# KiCad board 4in1-panel.kicad_pcb (continued)
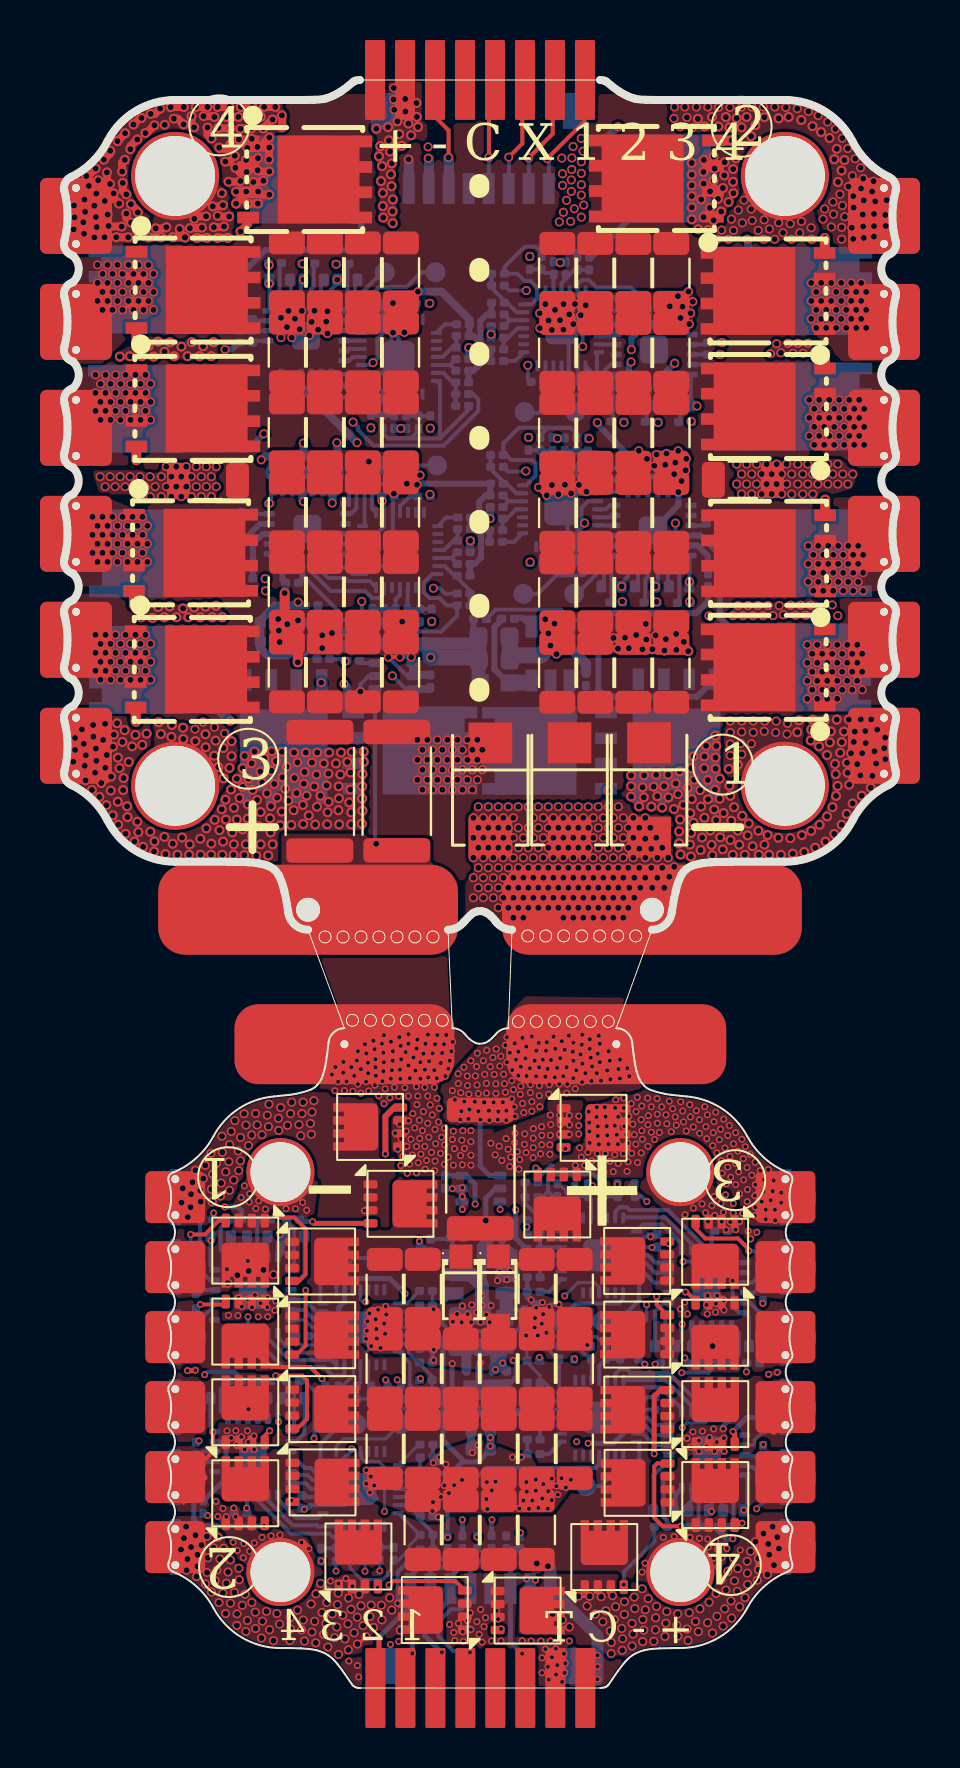
[diagram p0: board, top side]
## Routing (per net, layer and track width the routed paths; a pad name or vN(x,y) marks a point on that pad's centre or on a via; arc(x,y) is an arc through that point) (continued)
/ESC3/MotorB: length 40.2
  Top w0.2: Q15.1 Q15.1
  In2.Cu w0.2: v1(11.96,59.34) 17.95,53.35 v1(18.37,53.35)
  In3.Cu w0.2: 36.07,18.45 35.37,19.15 35.37,19.42 33.9,20.89 29.92,20.89 28.71,22.1 28.71,23.4 26.98,25.13 v2(26.41,25.13)
  In3.Cu w0.4: v1(11.96,59.34) 11.46,59.84 9.81,59.84 4.72,54.74 3.24,54.74 1.56,53.07 v1(1.56,52.67)
  Bottom w0.16: R51.1 26.32,25.22 v2(26.41,25.13)
  Bottom w0.2: U8.15 11.91,60.66 C34.1 ; U9.15 32.38,17.5 32.42,17.45 v1(32.42,17.1) ; v1(18.37,53.35) 18.38,53.35 R51#2.1
  Bottom w0.4: U8.15 11.91,59.39 v1(11.96,59.34)
  vias: v1(1.56,51.77) v1(1.56,50.87) v1(1.81,52.22) v1(1.81,51.32) v1(1.81,50.42) v1(2.06,52.67) v1(2.06,51.77) v1(2.06,50.87) v1(2.31,52.22) v1(2.31,51.32) v1(2.31,50.42) v1(2.56,52.67) v1(2.56,51.77) v1(2.56,50.87) v1(2.81,52.22) v1(2.81,51.32) v1(2.81,50.42) v1(3.06,52.67) v1(3.06,51.77) v1(3.06,50.87) v1(3.31,52.22) v1(3.31,51.32) v1(3.31,50.42) v1(3.56,52.67) v1(3.56,51.77) v1(3.56,50.87) v1(3.81,52.22) v1(3.81,51.32) v1(3.81,50.42) v1(4.06,52.67) v1(4.06,51.77) v1(4.06,50.87) v1(4.31,52.22) v1(4.31,51.32) v1(4.31,50.42)
/ESC3/MotorC: length 39.3
  Top w0.4: 1.45,47.64 v3(2.04,48.22) ; 1.22,47.95 v3(1.44,48.17)
  In2.Cu w0.2: v1(14.88,54.35) 14.88,54.62 v1(10.25,59.25)
  In3.Cu w0.2: v2(29.14,24.33) 29.5,24.33 32.49,21.35 34.49,21.35 34.85,20.99 36.07,20.99 U4.16
  In3.Cu w0.4: v1(10.25,59.25) 9.33,58.33 9.33,54.12 5.05,49.84 4.22,49.84 v3(2.64,48.26)
  Bottom w0.2: C38.1 10.33,59.31 U8.12 ; C38#2.1 34.25,18.56 U9.12 33.76,18.77 33.43,19.1 v2(33.43,20.37) ; v1(14.88,54.35) 14.88,53.71 15.24,53.36 R54#2.1 ; R54.1 28.89,24.58 v2(29.14,24.33)
  Bottom w0.4: U8.12 v1(10.25,59.25)
  vias: v3(0.45,46.32) v3(0.54,47.52) v3(0.54,46.92) v3(0.88,47.95) v3(0.97,47.22) v3(1.07,46.65) v3(1.02,46.12) v3(1.06,45.39) v3(1.38,44.92) v3(1.45,47.58) v3(1.58,46.98) v3(1.6,46.37) v3(1.54,45.78) v3(1.75,44.57) v3(1.85,45.26) v3(1.94,47.42) v3(2.05,46.02) v3(2.1,44.15) v3(2.12,46.66) v3(2.34,45.58) v3(2.32,44.88) v3(2.48,47.68) v3(2.44,47.08) v3(2.42,43.65) v3(2.68,46.53) v3(2.67,44.33) v3(2.69,43.18) v3(2.76,46.01) v3(2.9,47.32) v3(2.96,45.51) v3(2.94,44.91) v3(3.02,47.9) v3(3.06,42.73) v3(3.14,44.1) v3(3.16,43.56) v3(3.22,46.32) v3(3.39,47.09) v3(3.5,42.34) v3(3.56,47.67) v3(3.65,43.33) v3(3.7,42.81) v3(3.9,47.17) v3(3.94,42.07) v3(4.11,47.73) v3(4.3,42.83) v3(4.49,41.84) v3(4.51,42.34) v3(5.01,42.57) v3(5.06,41.71) v3(5.42,42.23) v3(5.66,41.67) v3(5.89,42.54) v3(6.27,42.19) v3(6.24,41.67) v3(6.8,42.48) v3(6.82,41.67) v3(7.1,43) v3(7.35,42.24) v3(7.34,41.67) v3(7.52,43.42) v3(7.76,42.91) v3(7.87,43.95) v3(7.9,41.67) v3(7.94,42.33) v3(8.06,44.43) v3(8.08,43.43) v3(8.34,44.93) v3(8.4,42.79) v3(8.49,44.02) v3(8.48,42.19) v3(8.46,41.67) v3(8.63,45.48) v3(8.63,43.43) v3(8.76,44.51) v3(8.92,46) v3(8.92,45.07) v3(8.92,42.94) v3(9,41.66) v3(9.02,46.62) v3(9.08,42.19) v3(9.18,44.19) v3(9.18,43.48) v3(9.21,45.48) v3(9.37,46.24) v3(9.39,42.62) v3(9.42,44.92) v3(9.51,46.84) v3(9.6,41.63) v3(9.64,44.41) v3(9.8,45.83) v3(9.73,43.09) v3(9.9,45.27) v3(9.82,43.81) v3(9.82,42.19) v3(10,46.5) v3(10.14,44.75) v3(10.2,41.64) v3(10.29,43.49) v3(10.38,46.85) v3(10.37,45.87) v3(10.34,44.11) v3(10.32,42.79) v3(10.5,45.22) v3(10.42,42.2) v3(10.59,46.36) v3(10.65,44.53) v3(10.8,43.15) v3(10.89,46.82) v3(10.87,43.84) v3(10.91,45.55) v3(11.05,44.97) v3(11.12,46.08) v3(11.2,44.37) v3(11.35,43.16) v3(11.49,46.79) v3(11.51,45.51) v3(11.47,43.9) v3(11.66,46.29) v3(11.61,44.76) v3(11.98,45.22) v3(11.93,44.17) v3(11.95,43.21) v3(12.08,46.78) v3(12.02,45.81) v3(12.11,44.63) v3(12.22,43.64) v3(12.38,46.29) v3(12.5,45.09) v3(12.55,43.18) v3(12.65,46.79) v3(12.61,45.68) v3(12.64,44.07) v3(12.81,44.63) v3(12.98,46.24) v3(13.12,45.14) v3(13.17,43.8) v3(13.15,43.2) v3(13.24,46.79) v3(13.21,45.73) v3(13.22,44.32) v3(13.59,46.24) v3(13.71,43.9) v3(13.81,45.69) v3(13.72,45.09) v3(13.73,44.5) v3(13.75,43.19) v3(13.84,46.79) v3(14.16,46.31) v3(14.25,44.29) v3(14.38,46.81) v3(14.31,45.79) v3(14.31,44.94) v3(14.35,43.8) v3(14.35,43.2) v3(14.89,45.09) v3(14.89,44.48) v3(14.88,43.22) v3(14.97,46.83) v3(14.98,46.32) v3(14.91,45.7) v3(14.91,43.87)
/ESC4/AH: length 2.7
  Bottom w0.2: U9#2.20 14.84,67.39 U10.22 ; U10#2.20 28.94,12.72 29.52,12.15 U11.22
/ESC4/AL: length 4.6
  Bottom w0.2: U10#2.15 28.94,15.04 29.82,15.04 30.88,13.98 U11.1 ; U10.1 14.12,65.72 14.13,65.72 14.48,65.38 U9#2.15
/ESC4/BH: length 2.7
  Bottom w0.2: U10.23 14.08,66.97 U9#2.19 ; U10#2.19 29.05,13.13 29.53,12.65 U11.23
/ESC4/BL: length 7.5
  Bottom w0.2: U10#2.14 27.96,15.4 30.08,15.4 31.38,14.09 U11.2 ; U10.2 12.84,65.46 13.13,65.17 13.96,65.17 14.12,65.01 15.21,65.01 U9#2.14
/ESC4/CH: length 2.7
  Bottom w0.2: U9#2.18 14.43,66.57 14.24,66.39 U10.24 ; U10#2.18 29.16,13.53 29.54,13.15 U11.24
/ESC4/CL: length 10.6
  Bottom w0.2: U10.3 12.34,65.44 13.24,64.53 14.97,64.53 15.34,64.17 15.7,64.17 15.92,64.39 U9#2.13 ; U11.3 31.88,14.1 30.23,15.76 28.31,15.76 28.14,15.93 27.78,15.93 27.56,15.71 U10#2.13
/ESC4/FBA: length 6.1
  Bottom w0.16: U10#2.6 24.58,14.33 24.27,14.64 24.27,15.03 24.03,15.27 R65#2.2 23.8,15.64 23.14,16.3 R66.2 R64#2.1
  Bottom w0.2: R64.1 R65.2 19.44,65.29 18.96,65.77 U9#2.6
/ESC4/FBB: length 5.2
  Bottom w0.16: U10#2.10 26.36,16.44 26.35,16.45 26.28,16.45 25.65,17.08 25.49,17.08
  Bottom w0.2: U9#2.10 17.12,63.66 R68#2.2 17.11,63.62 R69.2 ; 25.49,17.08 25.48,17.09 R67#2.2
/ESC4/FBC: length 5.4
  Bottom w0.2: R72.2 28.54,17.09 27.91,16.46 R71#2.2 R70#2.2 26.76,16.13 U10#2.11 ; U9#2.11 16.72,64.39 16.5,64.17 R71.2 15.35,63.64 R72#2.2
/ESC4/FBCOMMON: length 17.3
  Bottom w0.16: R70#2.1 26.61,17.57 24.53,17.57 24.32,17.36 24.32,16.82 24.69,16.45 ; 24.69,16.45 24.76,16.45 24.76,14.83 U10#2.7 ; 24.69,16.45 24.04,17.09 R64#2.2
  Bottom w0.2: 18.79,62.49 20.22,63.92 R64.2 ; 18.79,62.49 16.2,62.49 16.19,62.5 ; 18.79,62.49 18.79,65.2 U9#2.7 ; R67.1 17.72,62.87 17.35,62.5 16.19,62.5 ; 16.19,62.5 15.92,62.77 R70.1
/ESC4/GHA: length 5.2
  Bottom w0.2: R79.1 14.16,71.16 14.16,69.05 U10.19 ; R55#2.1 30.16,8.35 29.97,8.54 29.97,10.53 30.08,10.65
/ESC4/GHB: length 3.7
  Bottom w0.2: U10.16 12.34,69.96 12.47,70.09 12.47,71.19 R61#2.1 ; 31.88,9.85 31.88,9.39 31.73,9.24 31.73,8.35 31.88,8.19 R60.1
/ESC4/GHC: length 3.7
  Bottom w0.2: R38.1 10.77,71.17 10.77,69.61 U10.13 ; R62.1 33.47,8.2 33.47,9.77 33.38,9.85
/ESC4/GLA: length 2
  Bottom w0.2: U10.11 9.5,68.39 R83.1 ; R56.1 34.94,10.55 34.44,11.05 34.28,11.05 34.18,11.15
/ESC4/GLB: length 1.6
  Bottom w0.2: U10.10 R75.1 ; 34.18,11.65 34.23,11.6 34.95,11.6
/ESC4/GLC: length 2.2
  Bottom w0.16: R63#2.1 34.95,12.83 34.51,12.39 34.51,12.2 34.46,12.15 U11.9
  Bottom w0.2: U10.9 9.51,67.39 R45.1
/ESC4/MotorA: length 89
  Top w0.16: 35.51,7.2 v1(35.74,6.98) ; v1(26.28,4.59) v1(25.7,4.59) ; U4.12 35.55,7.95 v1(35.43,8.07)
  Top w0.4: v3(1.62,73.07) 1.62,73.53 v3(1.58,73.57) ; v3(1.5,72.55) 2,72.55 v3(2.01,72.56) ; v3(8.55,76.03) 8.77,75.82 v3(9.11,75.82) ; v3(0.95,73.31) 0.95,72.77 v3(0.98,72.74) ; v3(9.65,77.07) 9.68,77.05 v3(10.25,77.05) 10.24,77.03 v3(10.24,76.45) ; v3(9.35,78) 8.82,78 v3(8.81,77.98) ; v3(0.48,74.15) 0.51,74.12 v3(0.51,73.55) ; v3(3.46,78.19) 3.79,78.52 v3(3.86,78.52) ; v3(2.89,75.84) 2.89,76.29 v3(3.03,76.43) ; Q19#2.1 9.17,74.81 v3(8.59,74.24) ; v3(1.57,76) 1.19,75.62 v3(1.1,75.62) ; v3(9.31,78.57) 9.82,78.57 v3(9.83,78.58) ; v3(3.04,77.76) 3.04,77.75 v3(2.66,77.36) ; v3(4,73.34) 3.64,72.98 v3(3.64,72.86) ; v3(1.04,73.83) 1.01,73.87 v3(1.01,74.44) ; v3(8.11,78.57) v3(8.71,78.57) ; v3(2.92,75.28) 2.92,74.88 v3(3.1,74.7) ; v3(6.96,78.61) 7.47,78.61 v3(7.51,78.57) ; v3(4.51,78.16) 4.11,77.77 v3(4.05,77.77) ; v3(8.22,75.33) 8.77,75.33 v3(8.81,75.38) ; v3(10.25,75.85) 9.72,75.85 v3(9.66,75.91) ; v3(5.96,78.2) 5.67,78.49 v3(5.48,78.49) ; U3.12 0.58,72.84 v3(0.47,72.95) ; v3(9.16,74.25) v3(9.68,74.25) ; v3(2.13,75.8) 2.13,75.38 v3(2.29,75.23) ; v3(5.32,79.07) 5.33,79.07 v3(5.98,79.07) ; v3(10.55,79.07) v3(9.99,79.07) ; v3(2.3,76.89) 2.3,76.76 v3(1.98,76.44) ; v3(2.17,73.69) 2.02,73.84 v3(2.02,74.38) ; v3(8.3,77.18) 8.38,77.1 8.38,76.98 7.8,76.98 v3(7.75,77.04) ; v3(4.79,78.99) 4.53,78.73 v3(4.32,78.73) ; v3(3.1,73.75) 3.1,73.53 v3(3.34,73.29) ; v3(7.16,78.05) 7.16,77.69 7.36,77.5 v3(7.36,77.5) ; v3(10.88,78.65) 10.9,78.64 v3(10.9,78.06) ; v3(6.49,78.06) 6.36,78.19 v3(6.36,78.62) ; v3(9.09,74.84) 8.59,74.84 v3(8.59,74.84) ; v3(10.25,77.55) 9.72,77.02 v3(9.15,77.02) ; v3(9.4,79.07) v3(8.83,79.07) ; v3(8.53,76.63) 8.24,76.34 v3(8.05,76.34) ; v3(3.65,77.45) 3.3,77.1 v3(3.3,76.96) ; v3(8.26,79.07) v3(7.67,79.07) ; v3(9.95,78) 10.4,78.45 v3(10.41,78.45) ; v3(7.71,78.04) 7.73,78.01 v3(8.31,78.01) ; v3(2.47,74.75) 2.47,74.51 v3(2.74,74.25) ; v3(9.69,74.84) 9.85,74.69 v3(10.25,74.69) ; v3(1.6,74.75) 1.5,74.64 v3(1.5,74.13) ; v3(3.33,74.22) 3.67,73.87 v3(3.67,73.8) ; v3(9.69,76.52) 9.6,76.43 v3(9.09,76.43) ; v3(2.59,72.56) v3(3.19,72.56) ; v3(9.45,75.32) 9.89,75.32 v3(9.96,75.38) ; v3(2.87,73.09) 2.24,73.09 v3(2.21,73.12) ; v3(7.16,79.07) v3(6.58,79.07)
  In2.Cu w0.2: v3(9.68,74.25) 9.68,73.09 10.98,71.79 10.98,70.29 10.35,69.66 10.35,67.34 11.84,65.84 14.58,65.84 16.19,64.23 16.19,62.44 15.23,62.44 14.44,63.24 v1(14.44,63.31)
  In3.Cu w0.16: v1(34.33,6.84) 34.36,6.84
  In3.Cu w0.2: 32.06,8.54 31.77,8.54 v2(23.77,16.54) ; 32.06,8.54 v2(30.55,8.54) ; 32.06,8.54 32.69,7.9 33.62,7.9 33.88,7.65 33.88,6.97 v2(33.81,6.9)
  In3.Cu w0.5: v3(9.68,74.25) 11.7,74.25 14.26,71.68 14.26,70.93 13.76,70.44 v1(13.65,70.44)
  Bottom w0.16: v1(24.42,3.71) 24.61,3.71 v1(24.91,3.41) ; v2(23.77,16.54) 23.78,16.53 R66.1
  Bottom w0.2: R66#2.1 20.45,64.71 20.71,64.45 20.71,63.87 18.97,62.13 15.48,62.13 14.69,62.92 14.69,63.06 v1(14.44,63.31) ; v1(13.65,70.44) 13.65,70.25 13.34,69.94 U10.18
  Bottom w0.25: U11.18 30.55,9.67 v2(30.55,8.54)
  vias: v1(25.26,3.05) v1(26.15,4.1) v1(26.55,3.7) v1(26.85,4.56) v1(26.94,3.31) v1(27.09,3.86) v1(27.31,2.85) v1(27.36,2.28) v1(27.35,1.72) v1(27.42,4.62) v1(27.51,3.42) v1(27.58,4.07) v1(27.88,2.98) v1(27.9,1.89) v1(28.01,3.68) v1(27.92,2.46) v1(28.01,4.31) v1(28.4,3.23) v1(28.4,2.1) v1(28.51,4.55) v1(28.45,2.7) v1(28.53,3.97) v1(28.9,4.96) v1(28.94,3.42) v1(28.99,2.89) v1(28.93,2.32) v1(29.06,3.91) v1(29.2,4.47) v1(29.49,2.34) v1(29.58,3.51) v1(29.57,2.91) v1(29.62,4.09) v1(30.09,3.24) v1(30.04,2.58) v1(30.13,3.83) v1(30.68,3.71) v1(30.64,3.13) v1(30.69,2.6) v1(31.15,2.95) v1(31.2,2.38) v1(31.26,3.76) v1(31.57,3.34) v1(31.71,2.82) v1(31.79,3.96) v1(32.17,3.26) v1(32.25,4.29) v1(32.42,2.75) v1(32.6,4.73) v1(32.65,3.59) v1(32.86,5.4) v1(32.95,3.1) v1(33.09,4.9) v1(33.03,3.96) v1(33.2,5.84) v1(33.35,4.36) v1(33.38,3.5) v1(33.47,6.51) v1(33.52,5.36) v1(33.68,5.98) v1(33.66,4.84) v1(33.78,4.06) v1(34.05,4.52) v1(34.15,6.34) v1(34.17,5.75) v1(34.18,5.18) v1(34.57,7.32) v1(34.66,5.39) v1(34.71,6.49) v1(34.72,5.91) v1(34.97,7.73) v1(35.16,5.68) v1(35.21,7.2) v1(35.26,6.67) v1(35.5,6.14) v1(35.66,7.54) v3(1.22,75.13) v3(1.69,75.41) v3(5.02,78.18) v3(8.73,77.45) v3(9.37,77.49)
/ESC4/MotorB: length 38.2
  Top w0.16: 36.07,11.45 36.07,10.74 35.91,10.58
  Top w0.3: 32.93,10.66 32.82,10.77 32.33,10.77
  In2.Cu w0.2: v1(18.3,63.01) 18.3,64.29 13.65,68.95 13.65,69.06 13.36,69.34 13.25,69.34 12.16,70.44 v1(11.96,70.44)
  In3.Cu w0.2: v2(32.37,8.83) 32.38,8.84 32.38,10.42 31.19,11.62 31.14,11.62 30.89,11.87 30.89,11.92 26.36,16.45 v2(25.53,16.45)
  In3.Cu w0.3: 31.31,10.72 31.35,10.77 31.91,10.77
  In3.Cu w0.5: v1(4.46,68.92) 5.82,68.92 9.52,72.62 11.46,72.62 12.57,71.5 12.57,70.96 12.05,70.44 v1(11.96,70.44)
  Bottom w0.16: v2(25.53,16.45) 25.52,16.44 R69#2.1
  Bottom w0.2: v1(11.96,70.44) 11.84,70.32 U10.15 ; 32.38,9.85 32.38,9.04 C35#2.1 ; 32.36,9.92 32.37,9.9 v2(32.37,8.83) ; R69.1 18.31,63 v1(18.3,63.01)
  Bottom w0.25: U11.15 32.38,9.85
  vias: v1(1.66,71.17) v1(1.66,70.27) v1(1.66,69.38) v1(1.91,70.72) v1(1.91,69.82) v1(1.91,68.92) v1(2.16,71.17) v1(2.16,70.27) v1(2.16,69.38) v1(2.41,70.72) v1(2.41,69.82) v1(2.41,68.92) v1(2.66,71.17) v1(2.66,70.27) v1(2.66,69.38) v1(2.91,70.72) v1(2.91,69.82) v1(2.91,68.92) v1(3.21,71.17) v1(3.21,70.27) v1(3.21,69.38) v1(3.46,70.72) v1(3.46,69.82) v1(3.46,68.92) v1(3.71,71.17) v1(3.71,70.27) v1(3.71,69.38) v1(3.96,70.72) v1(3.96,69.82) v1(3.96,68.92) v1(4.21,71.17) v1(4.21,70.27) v1(4.21,69.38) v1(4.46,70.72) v1(4.46,69.82)
/ESC4/MotorC: length 39.1
  Top w0.3: 35.48,13.17 35.48,12.82
  In2.Cu w0.2: v1(15.33,63.03) 15.33,63.11 13.22,65.22 11.13,65.22 9.99,66.36 9.99,69.99 v1(10.24,70.24)
  In3.Cu w0.2: U4.14 34.92,14.95 34.31,14.34 30.76,14.34 29.04,16.06 v2(29.04,16.19)
  In3.Cu w0.5: U4.14 34.66,13.15 33.91,12.41 33.91,8.9 ; v1(4.31,64.32) 6.72,64.32 9.43,67.04 9.43,67.56 9.42,67.57 9.42,69.42 v1(10.24,70.24)
  Bottom w0.2: U10.12 10.26,68.96 C39#2.1 ; R72#2.1 15.34,63.02 v1(15.33,63.03) ; 28.7,16.45 28.78,16.45 v2(29.04,16.19)
  Bottom w0.25: 34.18,10.65 34.18,9.09 C39.1 v2(33.99,8.9)
  Bottom w0.5: v1(10.24,70.24) 10.26,70.26 C39#2.1
  vias: v1(1.56,65.67) v1(1.56,64.77) v1(1.56,63.87) v1(1.81,65.22) v1(1.81,64.32) v1(1.81,63.42) v1(2.06,65.67) v1(2.06,64.77) v1(2.06,63.87) v1(2.31,65.22) v1(2.31,64.32) v1(2.31,63.42) v1(2.56,65.67) v1(2.56,64.77) v1(2.56,63.87) v1(2.81,65.22) v1(2.81,64.32) v1(2.81,63.42) v1(3.06,65.67) v1(3.06,64.77) v1(3.06,63.87) v1(3.31,65.22) v1(3.31,64.32) v1(3.31,63.42) v1(3.56,65.67) v1(3.56,64.77) v1(3.56,63.87) v1(3.81,65.22) v1(3.81,64.32) v1(3.81,63.42) v1(4.06,65.67) v1(4.06,64.77) v1(4.06,63.87) v1(4.31,65.22) v1(4.31,63.42)
/M1: length 45.9
  Top w0.2: 21.44,78.79 21.24,78.59 v1(21.24,76.55)
  In2.Cu w0.2: v1(21.24,76.55) 15.67,70.98 15.67,67.87 20.05,63.48 20.07,63.48 20.07,62.98 19.54,62.45 17.15,62.45 14.88,60.18 14.88,58.96 17.53,56.31 v1(23.3,56.31)
  Bottom w0.2: 21.23,75.57 21.23,76.55 v1(21.24,76.55) ; R20.1 23.29,56.3 v1(23.3,56.31) ; J1.5 20.31,4.38 19.87,3.94 19.34,3.94 18.72,3.32 18.72,2.58 19.44,1.86 19.44,1.85 20.22,1.85 v2(20.29,1.78)
  Bottom w0.25: R20#2.1 21.37,6.92 20.31,5.86 J1.5
/M2: length 35
  Top w0.2: 22.91,79 22.91,77.24 v1(22.23,76.56)
  In2.Cu w0.2: v1(22.23,76.56) 23.65,77.99 26.05,77.99 26.46,77.58 26.46,73.48 25.06,72.08 23.04,72.08 19.58,68.62 19.58,66.77 20.19,66.16 v1(23.18,66.16)
  Bottom w0.2: v1(23.18,66.16) 23.18,65.49 R39.1 ; 22.23,75.57 22.23,76.56 v1(22.23,76.56)
  Bottom w0.25: v2(18.89,1.79) 18.86,1.79 18.03,2.62 18.03,3.17 19.31,4.45 J1.6 19.31,5.56 20.65,6.9 R5.1
/M3: length 32.5
  Top w0.2: 24.43,78.98 24.43,77.73 v1(23.23,76.53)
  In2.Cu w0.2: v1(18.29,59.7) 20.66,62.07 20.66,64.83 17.2,68.29 17.2,70.51 v1(23.23,76.53)
  Bottom w0.2: v1(18.29,59.7) 18.31,59.68 R57#2.1 ; 23.23,75.57 23.23,76.53 v1(23.23,76.53)
  Bottom w0.25: R41#2.1 19.91,6.74 19.2,6.03 18.34,6.03 18.31,6 J1.7 17.91,4.57 17.91,4.02 17.41,3.52 v2(17.41,1.73)
/M4: length 23.1
  Top w0.2: v1(24.16,76.49) 26.01,78.34 26.01,79.32
  Top w0.25: v2(15.74,2.54) 15.74,0.22 15.56,0.22
  In2.Cu w0.2: v1(24.16,76.49) 24.16,75.13 v1(18.28,69.25)
  Bottom w0.2: 24.23,75.57 24.23,76.42 v1(24.16,76.49) ; R87.1 v1(18.28,69.25)
  Bottom w0.25: v2(15.74,2.54) 17.31,4.11 J1.8 17.31,5.62 18.14,6.45 18.89,6.45 19.18,6.74 R59#2.1
Net-(Q1-G): length 15.8
  Top w0.25: v2(12.42,23.33) 12.51,23.24 Q1.2
  In3.Cu w0.6: v1(27.9,54.34) 26.48,54.34 25.34,53.2 25.34,46.75 v1(27.2,44.89)
  Bottom w0.2: v1(27.9,54.34) 27.93,54.32 R76.2
  Bottom w0.25: v2(12.42,23.33) 11.86,23.33 R16.2
Net-(Q2-G): length 30.3
  Top w0.3: v2(16.06,26.71) 16.06,28.59 16.5,29.04 Q2.2
  In3.Cu w0.3: v2(16.06,26.71) 16.06,26.28 12.62,22.84 11.86,22.84 11.48,23.22 11.45,23.19 8.04,23.19 v2(7.47,23.76)
  Bottom w0.26: R17.2 7.47,23.48 v2(7.47,23.76)
  Bottom w0.3: R80.2 32.2,54.34 31.61,53.75 27.2,53.75 27.2,53.75 26.71,53.25 26.71,49.92 27.05,49.58 31.65,49.58 32.52,50.45
Net-(Q3-G): length 6.7
  Top w0.2: Q3.2 11.74,20.36 12.07,20.68 12.07,22.97 11.51,23.53 10.71,23.53 v2(10.57,23.68)
  Bottom w0.2: R21#2.2 10.33,23.44 v2(10.57,23.68)
  Bottom w0.3: R81.2 32.93,65.99 Q3#2.2
Net-(Q4-G): length 9.2
  Top w0.2: v2(6.32,22.68) 7.03,22.68 7.73,23.38 Q4.2
  Bottom w0.2: 6.58,20.28 6.32,20.55 v2(6.32,22.68)
  Bottom w0.3: Q4#2.2 8.29,55.69 8.29,58.49 8.62,58.82 R82.2
Net-(Q5-G): length 21
  Top w0.2: v2(12.07,19.89) 12.07,17.13 11.61,16.67 Q5.2
  In2.Cu w0.4: v2(8.02,24.06) 8.02,23.94 v2(12.07,19.89)
  Bottom w0.26: R23.2 8.87,23.87 8.68,24.06 v2(8.02,24.06)
  Bottom w0.3: Q5#2.2 14.85,72.37 14.41,71.92 14.41,71.91 10.06,71.91 8.77,70.63 R83.2
Net-(Q6-G): length 11.6
  Top w0.2: Q6.2 7.93,19.18 v2(6.8,19.18)
  Top w0.5: v1(37.98,53.7) 38.04,53.64 Q6#2.2
  In3.Cu w0.3: v1(37.98,53.7) 37.36,53.09 32.02,53.09 31.3,53.81 30.12,53.81 v1(29.61,54.32)
  Bottom w0.2: R24.2 6.59,18.97 v2(6.8,19.18) ; v1(29.61,54.32) 29.64,54.3 R55.2
Net-(Q7-G): length 30.1
  Top w0.5: v1(38.06,66.78) 38.05,66.77 Q7.2
  In2.Cu w0.6: v1(38.06,66.78) 32.94,61.66 32.94,61.08 31,59.13 29.55,59.13 27.99,60.69 v1(27.99,63.29)
  In3.Cu w0.3: v2(15.66,5.01) 15.18,5.01 14.53,5.66 14.53,8.17 13.82,8.89 13.82,11.16 v2(12.49,12.49)
  Bottom w0.2: R1.2 12.01,15.35 12.52,14.84 12.52,12.52 v2(12.49,12.49)
  Bottom w0.3: R77.2 v1(27.99,63.29)
Net-(Q8-G): length 31.7
  Top w0.2: v2(16.24,5.15) 16.44,5.35 19.55,5.35 Q8.2
  Top w0.5: 38.04,71.71 v1(38.04,72.52)
  In2.Cu w0.3: v2(7.17,8.63) 7.17,8.4 7.48,8.08 8.94,8.08 9.47,8.61 10.6,8.61 11.43,7.78 14.53,7.78 16.26,6.06 16.26,5.17
  In2.Cu w0.5: v1(38.04,72.52) 38.04,72.23 34.58,68.77 34.58,64.94 32.24,62.59 30.39,62.59 v1(29.7,63.29)
  Bottom w0.3: R56#2.2 v1(29.7,63.29)
Net-(Q9-G): length 24.2
  Top w0.2: Q9#2.2 11.65,12.97 12.14,13.46 12.14,15.39 11.91,15.62 10.57,15.62 v2(10.57,15.62)
  Top w0.5: Q9.2 3.57,48.35 v1(3.59,48.33)
  In2.Cu w0.6: 3.59,48.38 3.76,48.38 8.61,53.24 8.61,56.41 9.2,56.99 9.2,59.09 9.56,59.46 9.56,59.53 9.97,59.94 10.74,59.94 11.95,61.15 v1(11.95,62.26)
  Bottom w0.2: R6.2 10.33,15.39 10.56,15.62 v2(10.57,15.62)
  Bottom w0.4: R60#2.2 11.96,62.26 v1(11.95,62.26)
Net-(Q10-G): length 17.4
  Top w0.2: 10.02,12.62 v2(10.27,12.86)
  Top w0.5: Q10#2.2 3.61,67.38
  In3.Cu w0.3: v2(6.74,12.36) 7.65,11.44 9.69,11.44 10.08,11.83 10.08,12.68 v2(10.27,12.86)
  In3.Cu w0.5: v1(11.91,71.23) 11.18,71.96 9.97,71.96 8.45,70.44 8.45,69.35 7.09,68 4.17,68 3.59,67.42 v1(3.59,67.36)
  Bottom w0.2: R61#2.2 11.9,71.25 v1(11.91,71.23) ; v2(6.74,12.36) 6.68,12.3 6.58,12.3
Net-(Q11-G): length 14.7
  Top w0.2: 11.41,9.31 11.41,9.32 v2(11.35,9.38)
  In2.Cu w0.4: v2(11.35,9.38) 11.35,13.44 9.43,15.36 7.33,15.36 7.06,15.63
  Bottom w0.2: R8.2 8.87,15.45 8.52,15.81 7.16,15.81 v2(7.02,15.67)
  Bottom w0.3: R62#2.2 32.79,53.54 33.38,52.94 Q11#2.2
Net-(Q12-G): length 13.2
  In3.Cu w0.4: v1(34.16,72.46) 34.28,72.34 34.28,67.25 33.71,66.69 v1(32.79,66.69)
  Bottom w0.25: v2(9.99,8.11) 6.77,8.11 6.47,8.41 6.47,8.5 ; 6.47,8.5 6.47,10.04 R9.2 ; 6.47,8.5 6.47,8.41
  Bottom w0.3: R63.2 32.8,66.69 v1(32.79,66.69)
  Bottom w0.4: v1(34.16,72.46) 34.21,72.41 Q12#2.2
Net-(Q13-G): length 29
  Top w0.5: v1(3.48,54.16) 3.48,54.16 Q13.2
  In2.Cu w0.5: v1(13.63,62.28) 12.89,63.02 11.64,63.02 11.02,62.41 11.02,61.22 10.44,60.65 9.67,60.65 3.48,54.45 v1(3.48,54.16)
  In3.Cu w0.3: 23.61,25.82 23.61,25.98 v2(23.58,26.01)
  In3.Cu w0.5: 29.62,16.19 29.62,16.44 28.54,17.52 28.54,19.36 23.61,24.3 23.61,25.82
  Bottom w0.2: R37.2 29.64,16.24 29.6,16.19 v2(29.55,16.19)
  Bottom w0.4: R78.2 13.67,62.25 v1(13.63,62.28)
Net-(Q14-G): length 24.8
  In3.Cu w0.4: v1(10.07,54.87) 10.07,50.13 v1(8.3,48.36) ; v2(34.12,15.81) 32.52,15.81 30.29,18.04 30.29,19.68 29.63,20.34 29.46,20.34 25.02,24.78 25.02,26.94 v2(25.06,26.97)
  Bottom w0.25: R38#2.2 34.13,15.82 v2(34.12,15.81)
  Bottom w0.3: R74#2.2 v1(10.07,54.87)
  Bottom w0.5: v1(8.3,48.36) 7.65,49.01 Q14#2.2
Net-(Q15-G): length 6.6
  Top w0.2: v2(29.63,19.59) 29.63,19.17 Q15.2
  In3.Cu w0.3: v2(29.63,19.59) 29.63,17.91 v2(31.03,16.51)
  Bottom w0.2: R42#2.2 31.23,16.31 v2(31.03,16.51)
  Bottom w0.3: 7.41,68.05 7.58,67.88 R75.2
Net-(Q16-G): length 18.1
  Top w0.2: 31.58,19.37 31.14,19.81 v2(31.07,19.81)
  Top w0.5: v1(38.06,59.44) Q16#2.2
  In3.Cu w0.25: v2(34.94,19.24) 33.95,18.25 31.91,18.25 31.66,18.5 31.66,19.32 31.17,19.81 v2(31.07,19.81)
  In3.Cu w0.3: v1(31.28,54.35) 30.7,54.93 30.7,56.59 31.27,57.16 35.78,57.16 v1(38.06,59.44)
  Bottom w0.2: R23#2.2 31.31,54.32 v1(31.28,54.35) ; R43#2.2 v2(34.94,19.24)
Net-(Q17-G): length 31
  Top w0.25: v2(30.24,22.23) 30.15,22.32 Q17#2.2
  Top w0.5: 33.39,77.39 33,77.39 32.99,77.4 32.44,77.4
  In2.Cu w0.4: 32.13,77.32 33.3,77.32 v3(33.39,77.41)
  In2.Cu w0.5: v2(30.24,22.23) 30.91,22.23 31.57,21.57 31.57,21.02 31.19,20.63 30.99,20.63 30.24,19.88 30.24,16.41 v2(30.88,15.77)
  In2.Cu w0.7: 32.13,77.32 31.12,77.32 30.04,76.23 30.04,72.41 33.67,68.78 33.67,65.1 31.92,63.35 v1(31.35,63.35)
  Bottom w0.2: v2(30.88,15.77) 32.21,15.77 R44.2
  Bottom w0.3: R24#2.2 31.37,63.33 v1(31.35,63.35)
Net-(Q18-G): length 21.1
  Top w0.2: v2(34.23,21.86) 34.23,21.94 34,22.18 34,22.18 33.7,22.48 32.06,22.48 31.58,22.97
  In3.Cu w0.4: v1(9.85,61.43) 12.07,61.43 13.98,59.51 13.98,59.03 14.27,58.74 14.27,52.41 13.46,51.6 13.46,51.11 13.68,50.89 13.68,50.74 13.99,50.43 v1(13.99,50.22)
  Bottom w0.2: v2(34.23,21.86) 34.48,21.86 34.9,21.44 34.93,21.44
  Bottom w0.4: v1(13.99,50.22) 14.15,50.06 14.15,49.09 Q18#2.2 ; v1(9.85,61.43) 10.03,61.61 R37#2.2
Net-(Q19-G): length 10.3
  Top w0.4: v3(8.81,72.85) 9.19,73.23 Q19#2.2
  In3.Cu w0.5: v1(13.6,71.2) 13.6,71.41 11.73,73.28 9.24,73.28 v3(8.81,72.85)
  Bottom w0.2: R79.2 v1(13.6,71.21) ; R55#2.2 29.52,7.33 28,5.82 28,5.19
  vias: v2(27.99,5.17)
Net-(Q20-G): length 32.4
  Top w0.5: Q20.2 3.6,61.4
  In2.Cu w0.3: v2(21.85,2.96) 22.92,2.96 25.08,5.12 27.25,5.12 28.16,6.03 ; v2(34.62,8.96) 34.2,9.38 33.61,9.38 32.57,8.35 32.17,8.35 31.5,9.02 30.35,9.02 29.44,8.11 29.44,7.32 28.16,6.05
  In3.Cu w0.5: v1(10.24,71.16) 10.38,71.16 10.9,70.64 10.9,69.97 10.16,69.23 10.16,66.34 5.53,61.72 3.91,61.72 v1(3.59,61.39)
  Bottom w0.2: R56.2 34.94,9.28 v2(34.62,8.96) ; R38.2 10.24,71.24 v1(10.24,71.16)
Net-(Q21-G): length 6.8
  Top w0.2: v2(30.83,8.09) 29.93,8.09 29.51,8.51 29.51,11.08 29.66,11.23 Q21.2
  Bottom w0.2: v2(30.83,8.09) 30.85,8.07 31.24,8.07
  Bottom w0.4: R42.2 33.78,58.24 Q21#2.2
Net-(Q22-G): length 20.6
  Top w0.3: Q22.2 33.63,8.25 v2(33.9,8.25)
  In2.Cu w0.4: v1(32.91,67.29) 31.88,67.29
  In2.Cu w0.6: 31.83,67.36 30.94,67.36 28.26,70.04 28.26,77.53 v1(27.7,78.09)
  In3.Cu w0.3: v2(33.9,8.25) 34.59,8.25 35.11,8.76 35.11,12.04 v2(34.96,12.18)
  Bottom w0.2: 34.95,12.24 34.95,12.2 v2(34.96,12.18)
  Bottom w0.3: R43.2 32.9,67.29 v1(32.91,67.29)
  Bottom w0.4: 26.78,77.4 27.01,77.4 v1(27.7,78.09)
Net-(Q23-G): length 21.6
  Top w0.25: Q23.2 29.81,14.9 29.5,14.6 v2(29.5,11.72)
  In2.Cu w0.4: v2(33.44,7.46) 33.88,7.46 35.16,8.74 35.16,9.19 33.04,11.3 29.91,11.3 29.52,11.7
  In3.Cu w0.4: v1(12.85,50.28) 12.29,50.84 12.29,54.81 11.62,55.48 v1(10.04,55.48)
  Bottom w0.3: R62.2 32.7,7.9 33.13,7.46 v2(33.44,7.46) ; R44#2.2 10.06,55.49 v1(10.04,55.48) ; v1(12.85,50.28) 12.87,50.31 Q23#2.2
Net-(Q24-G): length 11.2
  Top w0.25: v2(33.44,12.82) 33.53,12.74 Q24.2
  In2.Cu w0.5: v1(8.04,66.94) 8.79,66.19 8.79,63.92 v1(9.98,62.73)
  Bottom w0.25: 34.95,13.52 34.13,13.52 33.44,12.84 v2(33.44,12.82)
  Bottom w0.3: Q24#2.2 9.33,62.08 v1(9.98,62.73) ; R45.2 8.74,67.25 8.68,67.25 8.37,66.94 v1(8.04,66.94)
Net-(U2-BOOT0): length 2.5
  Bottom w0.16: U2.1 17.14,19.24 R19.1
  Bottom w0.2: R19#2.1 22.49,57.33 U2#2.1
Net-(U2-NRST): length 3.7
  Bottom w0.16: U2.4 17.4,18.04 R18.1 17.77,18.42 C50.1
  Bottom w0.2: C50#2.1 21.92,58.48 R18#2.1 22.13,58.49 22.6,58.95 U2#2.4
Net-(U2-PA13): length 6.1
  Bottom w0.2: U2#2.21 26.58,57.66 26.58,55.67 25.63,54.72 TP1#2.1 ; 12.81,19.24 12.81,20.9 TP1.1
Net-(U2-PA14): length 8
  Bottom w0.2: U2#2.22 26.22,56.86 26.22,55.89 25.98,55.65 24.61,55.65 23.68,54.72 TP4.1 ; 13.61,20.04 13.61,20.63 14.48,21.5 TP4#2.1
Net-(U2-PB4): length 17.7
  In3.Cu w0.2: v2(21.39,8.41) 21.01,8.41 20.59,8.83 20.59,10.47 17.08,13.97 17.08,18.69 16.25,19.52 15.29,19.52 v2(15.08,19.31)
  Bottom w0.16: v2(15.08,19.31) 14.91,19.31 14.81,19.42 U2.25
  Bottom w0.2: R20.2 24.32,56.27 24.81,56.76 U2#2.25
  Bottom w0.25: v2(21.39,8.41) 21.37,8.39 R20#2.2
Net-(U3-VB1): length 2.7
  Bottom w0.2: U3#2.20 11.74,20.41 12.01,20.68 C53.2
Net-(U3-VB2): length 1
  Bottom w0.2: C32#2.2 10.16,21.59 U3#2.17
Net-(U3-VB3): length 1.2
  Bottom w0.2: C36.2 8.33,22.27 8.68,21.92 U3#2.14
Net-(U4-VB1): length 2.5
  Bottom w0.2: U4#2.20 27.26,57.14 26.99,56.87 26.99,55.22 C53#2.2
Net-(U4-VB2): length 1
  Bottom w0.2: C32.2 28.69,55.23 U4#2.17
Net-(U4-VB3): length 0.9
  Bottom w0.2: U4#2.14 30.19,55.15 C36#2.2
Net-(U5-BOOT0): length 1.2
  Bottom w0.2: U5.1 22.55,66.38 R22#2.1
Net-(U5-NRST): length 1.8
  Bottom w0.2: C52.1 21.98,67.52 R21.1 22.19,67.53 22.66,68 U5.4
Net-(U5-PA13): length 3.6
  Bottom w0.2: U5.21 26.64,66.71 26.64,64.72 25.69,63.77 25.56,63.77
Net-(U5-PA14): length 5
  Bottom w0.2: 23.02,63.77 23.74,63.77 24.67,64.7 26.04,64.7 26.28,64.94 26.28,65.91 U5.22
Net-(U5-PB4): length 1.4
  Bottom w0.2: U5.25 24.87,65.81 24.38,65.32 R39.2
Net-(U6-BOOT0): length 1.5
  Bottom w0.16: U6#2.1 16.7,11.15 17.72,12.17 R4.1
Net-(U6-NRST): length 2.3
  Bottom w0.2: U6#2.4 17.03,9.95 17.23,10.15 17.23,10.18 17.78,10.72 17.8,10.72 17.8,10.73 C46.1
Net-(U6-PA13): length 3.3
  Bottom w0.2: TP2.1 13.81,13.2 12.81,12.19 12.81,11.15
Net-(U6-PA14): length 3.9
  Bottom w0.16: TP3.1 16.07,12.46 13.95,12.46 13.61,12.12 U6#2.22
Net-(U6-PB4): length 9.2
  In3.Cu w0.2: v2(20.66,7.54) 20.23,7.97 16.88,7.97 v2(16.02,8.83)
  Bottom w0.16: U6#2.25 14.87,11.83 14.87,11.48 15.04,11.31 15.38,11.31 15.41,11.34 15.44,11.31 15.74,11.31 16.02,11.04 v2(16.02,8.83)
  Bottom w0.25: R5.2 20.65,7.55 v2(20.66,7.54)
Net-(U6-VB1): length 2.5
  Bottom w0.2: C56.2 27.05,64.27 27.05,65.92 27.32,66.19 U6.20
Net-(U6-VB2): length 1
  Bottom w0.2: C33#2.2 28.75,64.28 U6.17
Net-(U6-VB3): length 0.9
  Bottom w0.2: C37.2 30.25,64.2 U6.14
Net-(U7-BOOT0): length 1.2
  Bottom w0.2: U7#2.1 19.11,58.55 R41.1
Net-(U7-NRST): length 1.8
  Bottom w0.2: U7#2.4 18.99,56.92 19.46,57.39 R40.1 19.68,57.4 C59#2.1
Net-(U7-PA13): length 3.6
  Bottom w0.2: U7#2.21 15.02,58.21 15.02,60.2 15.97,61.15 TP3#2.1
Net-(U7-PA14): length 5
  Bottom w0.2: TP6.1 17.21,61.15 16.28,60.22 15.61,60.22 15.38,59.98 15.38,59.01 U7#2.22
Net-(U7-PB4): length 1.4
  Bottom w0.2: U7#2.25 16.79,59.11 17.27,59.6 R57#2.2
Net-(U7-VB1): length 2.6
  Bottom w0.2: C59.2 12.01,12.75 11.59,12.32 U7.20
Net-(U7-VB2): length 1
  Bottom w0.2: 10.18,13.47 10.16,13.5 C33.2
Net-(U7-VB3): length 1.2
  Bottom w0.2: C37#2.2 8.33,14.18 8.68,13.83 U7.14
Net-(U8-BOOT0): length 1.3
  Bottom w0.2: U8#2.1 24.24,19.82 R40#2.1
Net-(U8-NRST): length 2
  Bottom w0.2: C66.1 23.79,21.26 R39#2.1 23.83,21.27 24.2,21.64 U8#2.4
Net-(U8-PA13): length 3.3
  Bottom w0.2: 28.75,20.44 28.75,19.4 27.7,18.35 TP5.1
Net-(U8-PA14): length 4
  Bottom w0.16: U8#2.22 27.95,19.45 27.91,19.41
  Bottom w0.2: TP6#2.1 25.59,19.23 27.73,19.23 27.91,19.41
Net-(U8-PB4): length 19.9
  In3.Cu w0.2: v2(25.03,19.61) 24.79,19.85 22.93,19.85 22.66,19.58 22.66,17.45 22.92,17.19 22.92,16.22 21.97,15.28 21.97,11.36 22,11.34 22,10.14 21.86,10 21.86,8.27 21.57,7.98 20.93,7.98 20.5,8.41 v2(19.91,8.41)
  Bottom w0.16: v2(25.03,19.61) 25.7,20.28 26.52,20.28 26.75,20.05 U8#2.25
  Bottom w0.25: R41#2.2 v2(19.91,8.41)
Net-(U8-VB1): length 2.5
  Bottom w0.2: U8.20 14.33,58.73 14.61,59 14.61,60.65 C62.2
Net-(U8-VB2): length 1
  Bottom w0.2: U8.17 12.91,60.64 C34.2
Net-(U8-VB3): length 0.9
  Bottom w0.2: C38.2 11.41,60.72 U8.14
Net-(U9-BOOT0): length 1.2
  Bottom w0.2: R59.1 19.04,68.2 U9#2.1
Net-(U9-NRST): length 1.8
  Bottom w0.2: U9#2.4 18.92,66.58 19.39,67.04 R58#2.1 19.61,67.05 C64#2.1
Net-(U9-PA13): length 3.6
  Bottom w0.2: TP7.1 15.9,70.8 14.95,69.86 14.95,67.87 U9#2.21
Net-(U9-PA14): length 5
  Bottom w0.2: TP8.1 17.85,70.8 17.12,70.07 16.37,70.07 16.34,70.04 15.71,70.04 15.31,69.64 15.31,68.67 U9#2.22
Net-(U9-PB4): length 1.4
  Bottom w0.2: U9#2.25 16.72,68.77 17.2,69.25 R87.2
Net-(U9-VB1): length 2.6
  Bottom w0.2: U9.20 29.98,19.27 29.55,18.85 C73.2
Net-(U9-VB2): length 1
  Bottom w0.2: U9.17 31.38,17.13 C34#2.2
Net-(U9-VB3): length 1.2
  Bottom w0.2: U9.14 32.88,17.56 32.97,17.46 32.97,17.35 C38#2.2
Net-(U10-BOOT0): length 1.3
  Bottom w0.2: R58.1 24.24,11.7 U10#2.1
Net-(U10-NRST): length 1.8
  Bottom w0.2: 24.76,13.52 24.21,13.52 23.84,13.15 23.79,13.15 23.79,12.43 C80#2.1
Net-(U10-PA13): length 2.4
  Bottom w0.2: TP7#2.1 28.76,10.55 28.76,12.33
Net-(U10-PA14): length 2.7
  Bottom w0.2: TP8#2.1 26.82,10.1 27.96,11.24 U10#2.22
Net-(U10-PB4): length 10.5
  Bottom w0.2: v2(19.17,7.53) 19.17,9.07 21.11,11.01 26.57,11.01 26.76,11.2 U10#2.25
  Bottom w0.25: v2(19.17,7.53) 19.18,7.54 R59#2.2
Net-(U10-VB1): length 2.5
  Bottom w0.2: C67.2 14.54,70.31 14.54,68.66 14.26,68.39 U10.20
Net-(U10-VB2): length 1
  Bottom w0.2: C35.2 12.84,70.3 U10.17
Net-(U10-VB3): length 0.9
  Bottom w0.2: U10.14 11.34,70.38 C39#2.2
Net-(U11-VB1): length 2.7
  Bottom w0.2: C83#2.2 29.46,10.63 29.98,11.15 U11.20
Net-(U11-VB2): length 1
  Bottom w0.2: C35#2.2 31.22,9.2 31.38,9.37 31.38,9.85
Net-(U11-VB3): length 1
  Bottom w0.2: C39.2 32.88,8.96 32.88,9.85
Net-(U12-OUT): length 21.6
  In3.Cu w0.2: 22.63,7.83 22.32,8.14 22.32,9.16 22.51,9.35 22.51,10.31 23.33,11.14 23.33,16.72 23.59,16.97 24.33,16.97 24.48,16.82 26.18,18.52 26.18,19.17 22.09,23.27 22.09,23.65 v2(21.8,23.93)
  Bottom w0.2: U12#2.6 21.79,23.94 v2(21.8,23.93) ; U12.6 14.89,51.25 R73#2.2
  vias: v2(22.82,7.76)
Net-(U13-CB): length 7.2
  Bottom w0.2: C72#2.2 22.59,17.86 19.28,17.86 18.9,18.23 18.9,19.23 U13#2.1
  Bottom w0.3: C75.2 22.52,53.5 22.55,53.53 22.93,53.53 U13.1
Net-(U13-FB): length 7.8
  Bottom w0.2: R121.1 25.6,53.42 U13.3 25.27,53.51 24.84,53.94 21.58,53.94 R120.2 ; U13#2.3 19.42,22.4 R118.1 19.26,22.46 R119.2
Net-(U13-SW): length 7.2
  Bottom w0.2: U5#2.1 22.44,18.92 C72#2.1
  Bottom w0.3: 21.77,53.53 21.77,53.32 21.51,53.06 21.51,50.95 22.2,50.27 U14.1
  Bottom w0.7: U13#2.6 22.12,18.6 U5#2.1
  Bottom w0.8: 22.3,50.28 23.26,50.28 U13.6

## Copper pours and planes (outline as drawn; the poured copper is in the pictures)
+3V3 on In2.Cu: 11.81,7.6 17.81,7.6 17.81,10.6 11.81,10.6
+3V3 on In2.Cu: 29.81,15.6 23.81,15.6 23.81,12.6 29.81,12.6
+3V3 on In2.Cu: 24.81,6.6 16.81,6.69 16.66,27.6 24.81,27.6 24.91,6.6
+3V3 on In2.Cu: 29.81,23.6 23.81,23.6 23.81,20.6 29.81,20.6
+3V3 on In2.Cu: 17.81,18.6 11.81,18.6 11.81,15.6 17.81,15.6
GND on Top: 33.23,6.4 31.73,4.57 28.56,5.4 30.13,8.7 33.28,8.65 33.23,7.47
GND on Top: 33.28,11.67 31.03,11.57 30.51,12.77 31.13,13.25 33.26,13.27
GND on Top: 20.06,44.43 31.16,44.43 31.16,37.59 20.06,37.46
GND on Top: 23.86,69.92 31.46,69.92 31.46,67.62 23.86,67.62
GND on Top: 23.86,53.92 31.46,53.92 31.46,51.62 23.86,51.62
GND on Top: 33.53,54.47 37.56,54.51 37.82,54.1 37.32,53.3 33.21,53.25 33.1,53.69 33.54,54.48
GND on Top: 33.81,10.55 31.66,10.55 31.66,11.7 33.73,11.66
GND on Top: 2.86,66.92 4.54,67.73 7.78,67.7 8.41,66.91 8.25,66.36 2.66,66.42
GND on Top: 31.38,19.71 33.98,19.71 33.98,21.06 31.43,21.01
GND on Top: 9.95,11.6 7.68,11.64 7.71,13.27 10.13,13.13
GND on Top: 10.26,19.75 7.66,19.75 7.66,21.1 10.21,21.05
GND on Top: 23.86,61.92 31.46,61.92 31.46,59.62 23.86,59.62
GND on Top: 15.71,28.85 17.46,28.85 17.46,26.8 15.66,26.8
GND on Top: 15.33,75.73 15.21,78.31 16.18,80.24 16.4,80.7 18.07,80.76 18.17,77.61 17.14,76.06 17.16,72.28 15.53,72.5
GND on Top: 32.21,72.42 34.08,75.02 37.07,75.04 37.82,72.81 37.68,72.12 32.23,72.12
GND on Top: 24.24,8.75 17.12,8.77 15.42,10.98 25.93,10.94
GND on Top: 3.79,72.25 4.92,74.42 7.79,75.17 8.29,74.79 8.56,73.56 8.53,72.13
GND on Top: 25.81,28.85 25.81,27.1 23.06,25.6 17.58,25.6 17.58,26.26 24.31,28.85
GND on Top: 4.54,46.74 4.39,48.74 7.46,48.69 8.94,47.42 8.76,45.93 7.53,44.52 5.21,44.99
GND on Top: 15.11,19.24 19.62,19.22 20.83,19.95 23.85,19.67 25.76,19.14 26.51,19.03 26.47,16.93 25.86,16.46 23.01,16.46 21.65,15.82 17.96,16.23 17.35,16.71 15.48,16.69 14.83,17.38 14.94,18.85
GND on Top: 25.91,27.35 24.16,27.35 24.16,29.4 25.96,29.4
GND on Top: 10.16,69.92 17.76,69.92 17.76,67.62 10.16,67.62
GND on Top: 26.25,16.65 15.45,16.74 15.47,18.94 26.26,18.9
GND on Top: 34.06,23.35 32.31,25.35 29.11,26.55 28.79,25 31.43,22.6 34.06,22.6
GND on Top: 10.16,53.92 17.76,53.92 17.76,51.62 10.16,51.62
GND on Top: 36.84,46.43 37.18,48.66 33.06,48.69 32.92,45.78 33.17,45.51 36.57,46.06
GND on Top: 32.08,15.81 34.43,15.81 34.38,17.36 32.13,17.41
GND on Top: 34.98,66.79 35.41,67.61 37.55,67.61 37.4,66.91 37.17,66.47 34.94,66.5
GND on Top: 1.49,60.9 4.62,60.91 4.96,61.41 7.93,61.4 7.92,59.91 7.66,59.3 3.62,59.24 3.26,59.69 1.77,59.68 1.44,60.74
GND on Top: 33.47,61.53 38.81,61.45 39.71,60.82 39.43,60.01 37.47,59.4 33.61,59.38 33.09,60.21
GND on Top: 22.51,1.95 19.11,2 19.16,5.25 17.31,6.05 17.31,7.55 24.41,7.55 24.41,6.1 22.61,5.1
GND on Top: 12.48,23.62 10.13,22.72 7.73,22.8 9.16,25.62 12.71,25.38
GND on Top: 10.16,61.92 17.76,61.92 17.76,59.62 10.16,59.62
GND on Top: 3.79,54.45 7.69,54.46 8.32,53.29 3.59,53.34
GND on Top: 15,11.09 18.04,11.12 18.72,11.82 20.71,12.47 22.45,11.79 23.33,11.66 23.63,11.09 26.36,11.12 26.5,10.07 26.12,9.84 25.27,9.91 24.42,8.77 19.22,8.72 18.85,8.33 18.17,8.33 17.15,8.73 15.23,9.52 14.71,10.38
GND on Top: 10.45,18.48 7.88,18.35 7.88,19.8 10.78,20
GND on Top: 25.11,45.47 29.51,45.47 29.51,42.22 25.11,42.22
GND on Top: 13.11,5.3 9.01,5.3 7.41,8.9 12.16,7.52 13.11,5.4
GND on Top: 33.81,18.6 31.66,18.6 31.66,19.75 33.73,19.71
GND on Top, Bottom, In1.Cu, In3.Cu, In4.Cu: 43.81,-5.4 -2.19,-5.4 -2.19,36.6 43.81,36.6
GND on Bottom: -4.84,85.22 45.16,85.22 45.16,37.72 -4.84,37.72
GND on In1.Cu, In2.Cu, In3.Cu, In4.Cu: -9.84,90.22 50.16,90.22 50.16,37.72 -9.84,37.72
GND on In2.Cu: 44.81,-6.4 -3.19,-6.4 -3.19,37.6 44.81,37.6
+BATT on Top: 42.81,-4.4 -1.19,-4.4 -1.19,35.6 42.81,35.6
+BATT on Top: -7.34,79.72 47.66,79.72 47.66,37.46 -7.34,37.46
+BATT on Bottom: 15.91,50.27 26.46,50.27 26.46,44.44 15.88,44.55
+BATT on Bottom: 26.51,0.3 26.51,2.1 27.51,2.1 27.91,1.6 27.31,0.8 27.31,0.5 27.11,0.3
/CSA+ on Top: 10.86,42.72 19.66,42.72 19.66,39.04 10.86,38.94
/CSA+ on Top, Bottom, In1.Cu, In2.Cu, In3.Cu, In4.Cu: 29.41,30.15 22.41,28.15 18.01,28.1 17.96,29.2 23.06,34.6 29.46,34.5 29.46,30.1
/ESC1/MotorA on Top: 16.56,23.05 12.46,23.05 10.18,29.8 16.56,29.8
/ESC1/MotorA on Top, Bottom, In2.Cu, In3.Cu: 43.91,40.72 26.41,40.72 26.41,49.22 37.18,48.66 43.97,48.8
/ESC1/MotorA on Top, Bottom, In2.Cu, In3.Cu: 12.33,26.55 12.26,26.55 7.26,23.15 4.51,23.1 4.71,30.6 12.38,30.22
/ESC1/MotorB on Top: 43.42,48.85 36.92,48.85 36.92,52.85 38.58,54.51 43.42,54.51
/ESC1/MotorB on Top: 4.51,19.35 4.51,23.1 7.81,23.65 11.81,23.75 12.11,19.75 7.91,19.75
/ESC1/MotorC on Top: 43.42,54.85 36.92,54.85 36.92,58.85 37.62,59.55 43.42,59.55
/ESC1/MotorC on Top: 7.21,15.85 4.51,15.9 4.51,19.35 7.91,19.75 12.11,19.75 12.11,15.9 9.56,15.85 9.56,15.93 7.21,15.87
/ESC2/MotorA on Top: 43.42,65.8 36.92,65.8 36.92,62.85 38.75,61.02 43.42,61.02
/ESC2/MotorA on Top, Bottom, In2.Cu, In3.Cu: 4.51,8.8 7.41,8.8 9.01,5.3 13.11,5.3 13.41,5.7 19.11,5.7 19.11,2.4 13.21,1.5 4.51,1.6
/ESC2/MotorB on Top: 43.42,71.33 36.92,71.33 36.92,68.35 38.92,66.35 43.42,66.35
/ESC2/MotorB on Top: 11.91,12.3 4.51,12.3 4.51,15.9 11.91,15.9
/ESC2/MotorC on Top: 11.73,8.84 4.51,8.8 4.51,12.3 11.73,11.88
/ESC2/MotorC on Top, Bottom, In2.Cu, In3.Cu: 43.41,79.72 30.41,79.72 30.41,73.72 34.16,71.72 43.41,71.72
/ESC3/MotorA on Top: -1.84,55.09 4.66,55.09 4.72,58.45 2.03,59.59 -1.82,59.62
/ESC3/MotorA on Top, Bottom, In2.Cu, In3.Cu: 24.16,25.52 28.96,25.52 29.96,28.5 24.16,28.5
/ESC3/MotorA on Top, Bottom, In2.Cu, In3.Cu: 25.83,26.51 29.38,26.51 34.38,23.11 37.13,23.06 36.93,30.56 25.78,30.01
/ESC3/MotorB on Top: 34.43,15.81 37.13,15.86 37.13,19.31 33.73,19.71 29.53,19.71 29.53,15.86 32.08,15.81 34.33,15.76
/ESC3/MotorB on Top: -1.84,48.72 4.66,48.72 4.66,52.72 2.66,54.72 -1.84,54.72
/ESC3/MotorC on Top: 37.13,19.31 37.13,23.06 33.83,23.61 29.83,23.71 29.53,19.71 33.73,19.71
/ESC3/MotorC on Top, Bottom, In2.Cu, In3.Cu: -2.34,40.72 15.16,40.72 15.16,48.22 3.24,48.6 -2.34,48.72
/ESC4/MotorA on Top, Bottom, In2.Cu, In3.Cu: -1.84,79.72 11.16,79.72 11.16,74.47 5.91,71.72 -1.84,71.72
/ESC4/MotorA on Top, Bottom, In2.Cu, In3.Cu: 37.16,8.8 30.56,8.75 28.96,5.65 28.56,5.3 28.26,5.7 22.56,5.7 22.56,2.4 28.46,1.5 37.16,1.6
/ESC4/MotorB on Top: 29.91,7.65 37.13,7.61 37.13,12.26 29.73,12.26
/ESC4/MotorB on Top: -1.84,72.22 4.66,72.22 4.66,69.02 1.86,66.22 -1.84,66.22
/ESC4/MotorC on Top: 29.68,11.71 37.08,11.71 37.13,15.86 29.73,15.86
/ESC4/MotorC on Top: -1.84,66.65 4.66,66.65 4.66,62.65 3.15,61.14 -1.84,61.14

## Text on the board
B.Mask: ESC
B.Silkscreen: + | - | + - C T | 1 2 3 4 | 4 3 2 1 X C - + | 3 | 4 | 1 | 2 | 3-6S | open | Open | AM32
F.Silkscreen: + | - | + - C T | 1 2 3 4 | + - C X 1 2 3 4 | 4 | 3 | 1 | 2
